# Altium PCB PCB-Mezzanine.PcbDoc (continued)
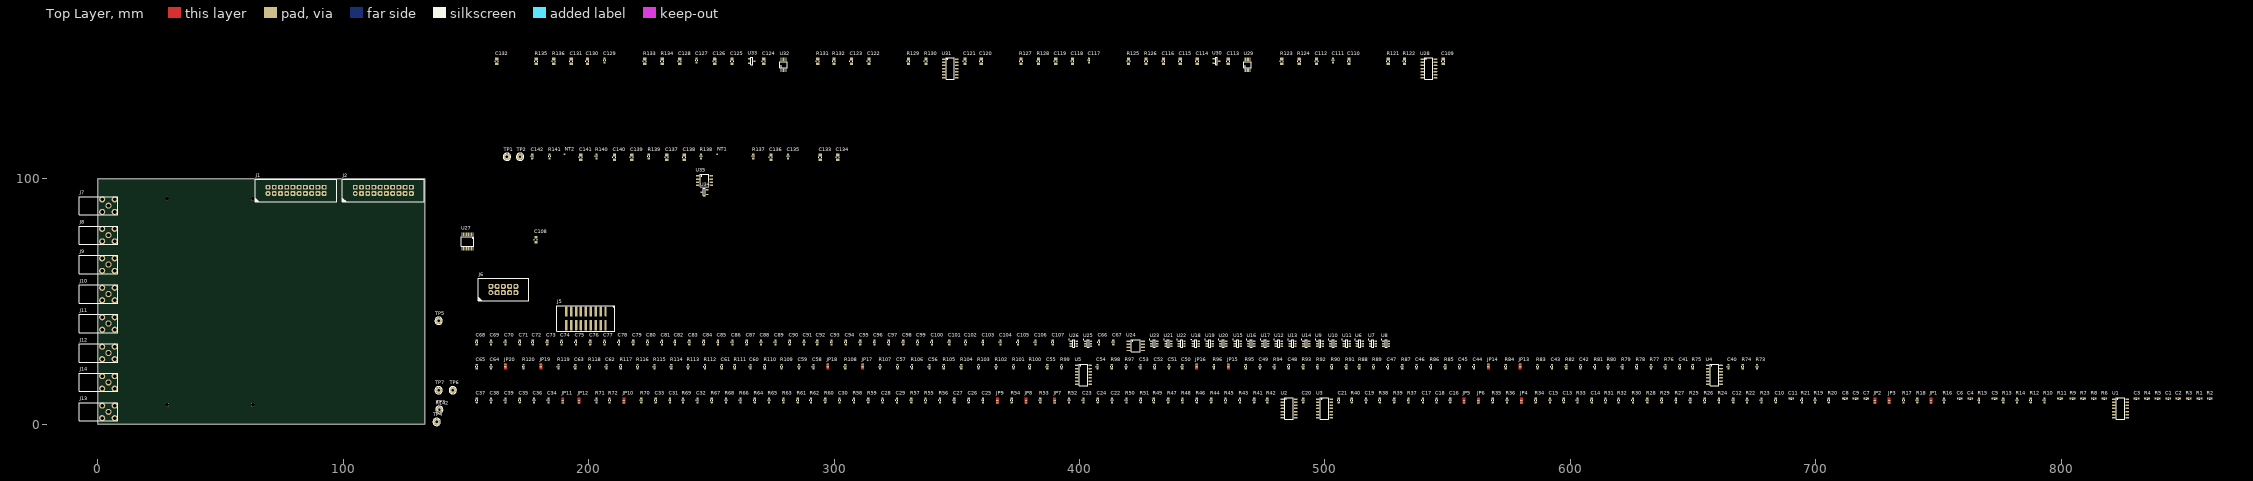
[diagram p0: Top Layer view]
## Components (designator, comment, footprint, x,y, rotation, side; value= is the part's Value field where it differs from the comment) (continued)
R107 "18k" "RESISTOR 1608 REFLOW" 318.77,23.495 r90 top
R108 "18k" "RESISTOR 1608 REFLOW" 304.546,23.495 r90 top
R109 "18k" "RESISTOR 1608 REFLOW" 278.638,23.495 r90 top
R110 "18k" "RESISTOR 1608 REFLOW" 271.78,23.495 r90 top
R111 "8k2" "RESISTOR 1608 REFLOW" 259.588,23.495 r90 top
R112 "8k2" "RESISTOR 1608 REFLOW" 247.396,23.495 r90 top
R113 "82R" "RESISTOR 1608 REFLOW" 240.538,23.495 r90 top
R114 "82R" "RESISTOR 1608 REFLOW" 233.68,23.495 r90 top
R115 "8k2" "RESISTOR 1608 REFLOW" 226.822,23.495 r90 top
R116 "8k2" "RESISTOR 1608 REFLOW" 219.964,23.495 r90 top
R117 "10k" "RESISTOR 1608 REFLOW" 213.106,23.495 r90 top
R118 "10k" "RESISTOR 1608 REFLOW" 200.406,23.495 r90 top
R119 "18k" "RESISTOR 1608 REFLOW" 187.706,23.495 r90 top
R120 "18k" "RESISTOR 1608 REFLOW" 173.482,23.495 r90 top
R121 "3k3" "RESISTOR 2012 REFLOW" 525.787,147.889 r90 top
R122 "3k6" "RESISTOR 2012 REFLOW" 532.391,147.889 r90 top
R123 "3k3" "RESISTOR 2012 REFLOW" 482.353,147.889 r90 top
R124 "3k6" "RESISTOR 2012 REFLOW" 489.465,147.889 r90 top
R125 "3k3" "RESISTOR 2012 REFLOW" 419.996,147.889 r90 top
R126 "3k6" "RESISTOR 2012 REFLOW" 427.108,147.889 r90 top
R127 "3k3" "RESISTOR 2012 REFLOW" 376.181,147.889 r90 top
R128 "3k6" "RESISTOR 2012 REFLOW" 383.293,147.889 r90 top
R129 "3k3" "RESISTOR 2012 REFLOW" 330.334,147.889 r90 top
R130 "3k6" "RESISTOR 2012 REFLOW" 337.446,147.889 r90 top
R131 "3k3" "RESISTOR 2012 REFLOW" 293.377,147.889 r90 top
R132 "3k6" "RESISTOR 2012 REFLOW" 299.981,147.889 r90 top
R133 "3k3" "RESISTOR 2012 REFLOW" 222.892,147.889 r90 top
R134 "3k6" "RESISTOR 2012 REFLOW" 230.004,147.889 r90 top
R135 "3k3" "RESISTOR 2012 REFLOW" 178.696,147.889 r90 top
R136 "3k6" "RESISTOR 2012 REFLOW" 185.808,147.889 r90 top
R137 "10k / 0.1%" "RESISTOR 1608 REFLOW" 267.051,109.137 r90 top
R138 "56R" "RESISTOR 1608 REFLOW" 245.842,109.137 r90 top
R139 "10k" "RESISTOR 1608 REFLOW" 224.506,109.137 r90 top
R140 "10k / 0.1%" "RESISTOR 1608 REFLOW" 203.17,109.137 r90 top
R141 "560R" "RESISTOR 1608 REFLOW" 184.12,109.137 r90 top
R142 "0" "RESISTOR 1608 REFLOW" 138.3,5.7 r90 top
TP1 "*" "Test Point Keystone Miniature BLACK" 166.721,109.01 r0 top
TP2 "*" "Test Point Keystone Miniature BLACK" 172.055,109.01 r0 top
TP3 "*" "Test Point Keystone Miniature RED" 139.2,6 r0 top
TP4 "*" "Test Point Keystone Miniature RED" 138.1,1 r0 top
TP5 "*" "Test Point Keystone Miniature RED" 138.9,42.2 r0 top
TP6 "*" "Test Point Keystone Miniature BLACK" 144.7,13.9 r0 top
TP7 "*" "Test Point Keystone Miniature BLACK" 138.9,13.9 r0 top
U1 "*" "SO14 P1.27 C4.0X8.8 H1.75" 824.103,6.477 r0 top
U2 "*" "SO14 P1.27 C4.0X8.8 H1.75" 485.394,6.477 r0 top
U3 "*" "SO14 P1.27 C4.0X8.8 H1.75" 499.872,6.477 r0 top
U4 "*" "SO14 P1.27 C4.0X8.8 H1.75" 658.622,20.193 r0 top
U5 "*" "SO14 P1.27 C4.0X8.8 H1.75" 401.574,20.193 r0 top
U6 "ADS7886SBDCKT" "SOT23-6 P0.95 C1.5x3.0 H1.3" 514.223,32.893 r0 top
U7 "ADS7886SBDCKT" "SOT23-6 P0.95 C1.5x3.0 H1.3" 519.557,32.893 r0 top
U8 "ADS7886SBDCKT" "SOT23-6 P0.95 C1.5x3.0 H1.3" 524.891,32.893 r0 top
U9 "ADS7886SBDCKT" "SOT23-6 P0.95 C1.5x3.0 H1.3" 497.967,32.893 r0 top
U10 "ADS7886SBDCKT" "SOT23-6 P0.95 C1.5x3.0 H1.3" 503.301,32.893 r0 top
U11 "ADS7886SBDCKT" "SOT23-6 P0.95 C1.5x3.0 H1.3" 508.889,32.893 r0 top
U12 "ADS7886SBDCKT" "SOT23-6 P0.95 C1.5x3.0 H1.3" 481.203,32.893 r0 top
U13 "ADS7886SBDCKT" "SOT23-6 P0.95 C1.5x3.0 H1.3" 486.791,32.893 r0 top
U14 "ADS7886SBDCKT" "SOT23-6 P0.95 C1.5x3.0 H1.3" 492.379,32.893 r0 top
U15 "ADS7886SBDCKT" "SOT23-6 P0.95 C1.5x3.0 H1.3" 464.439,32.893 r0 top
U16 "ADS7886SBDCKT" "SOT23-6 P0.95 C1.5x3.0 H1.3" 470.027,32.893 r0 top
U17 "ADS7886SBDCKT" "SOT23-6 P0.95 C1.5x3.0 H1.3" 475.615,32.893 r0 top
U18 "ADS7886SBDCKT" "SOT23-6 P0.95 C1.5x3.0 H1.3" 447.421,32.893 r0 top
U19 "ADS7886SBDCKT" "SOT23-6 P0.95 C1.5x3.0 H1.3" 453.009,32.893 r0 top
U20 "ADS7886SBDCKT" "SOT23-6 P0.95 C1.5x3.0 H1.3" 458.597,32.893 r0 top
U21 "ADS7886SBDCKT" "SOT23-6 P0.95 C1.5x3.0 H1.3" 436.245,32.893 r0 top
U22 "ADS7886SBDCKT" "SOT23-6 P0.95 C1.5x3.0 H1.3" 441.579,32.893 r0 top
U23 "ADS7886SBDCKT" "SOT23-6 P0.95 C1.5x3.0 H1.3" 430.403,32.893 r0 top
U24 "LT1461ACS8" "SO8 P1.27 C4.0X5.0 H1.75"#1 422.91,32.004 r0 top
U25 "ADS7886SBDCKT" "SOT23-6 P0.95 C1.5x3.0 H1.3" 403.479,32.893 r0 top
U26 "ADS7886SBDCKT" "SOT23-6 P0.95 C1.5x3.0 H1.3" 397.637,32.893 r0 top
U27 "DS90LV047ATMTC/NOPB" "TSSOP16 P0.65 C5.0x4.5 H1.1" 150.7,74.5 r270 top
U28 "AD8648ARZ-REEL7" "SO14 P1.27 C4.0X8.8 H1.75" 542.297,144.968 r0 top
U29 "DAC124S085CIMM/NOPB" "VSSOP10 P0.5 C3.1X3.1 H1.1" 468.383,146.492 r90 top
U30 "REF3130AIDBZTG4" "SOT23 P0.95 C1.6x3.0 H1.3" 455.81,148.016 r0 top
U31 "AD8648ARZ-REEL7" "SO14 P1.27 C4.0X8.8 H1.75" 347.352,144.968 r0 top
U32 "DAC124S085CIMM/NOPB" "VSSOP10 P0.5 C3.1X3.1 H1.1" 279.407,146.492 r90 top
U33 "REF3130AIDBZTG4" "SOT23 P0.95 C1.6x3.0 H1.3" 266.453,148.016 r0 top
U34 "REF3130AIDBZTG4" "SOT23 P0.95 C1.6x3.0 H1.3" 247.2,94.6 r180 top
U35 "AD8646ARZ-REEL7" "SO8 P1.27 C4.0X5.0 H1.75"#2 247.2,99.3 r0 top

## Footprints (in the part's own frame and the unit in brackets; to place one, negate y for a bottom-side part, rotate by r counter-clockwise, add the part's x,y. Pads: shape width x height; smd on the part's side, far side on the other; paste and mask are expansions set on the pad)
"CAPACITOR 1608 REFLOW" [mm] "Capacitor SMD 1.6x0.8mm (0603-imperial)"
  rrect25% 0.75x0.9 smd: 1(-0.8,0) 2(0.8,0)
  silkscreen extent -0.2,-0.4 0.2,0.4, body extent -0.8,-0.4 0.8,0.4, height 0.8
"CAPACITOR 2012 REFLOW" [mm] "Capacitor SMD 2.0x1.2mm (0805-imperial)"
  rrect25% 1.1x1.35 smd: 1(-1,0) 2(1,0)
  silkscreen extent -0.2,-0.6 0.2,0.6, body extent -1,-0.6 1,0.6, height 1
"ERNI SMC-Q50-SMD-BA" [mm] "Male 1.27 pitch 2x20 pin connector, 6.75 height"
  rect 1.2x2.7 smd: 0(-17.75,-2.45) 0(-17.75,2.45) 0(17.75,-2.45) 0(17.75,2.45)
  round 1.6 hole 1.6 unplated: 0(-17.45,0) 0(17.45,0)
  rrect25% 0.8x1.1 smd: a1(15.24,-2.75) a1(15.24,-2.75) a2(13.97,-2.75) a3(12.7,-2.75) a4(11.43,-2.75) a5(10.16,-2.75) a6(8.89,-2.75) a7(7.62,-2.75) a8(6.35,-2.75) a9(5.08,-2.75) a10(3.81,-2.75) a11(2.54,-2.75) a12(1.27,-2.75) a13(0,-2.75) a14(-1.27,-2.75) a15(-2.54,-2.75) a16(-3.81,-2.75) a17(-5.08,-2.75) a18(-6.35,-2.75) a19(-7.62,-2.75) a20(-8.89,-2.75) a21(-10.16,-2.75) a22(-11.43,-2.75) a23(-12.7,-2.75) a24(-13.97,-2.75) a25(-15.24,-2.75) b1(15.24,2.75) b1(15.24,2.75) b2(13.97,2.75) b3(12.7,2.75) b4(11.43,2.75) b5(10.16,2.75) b6(8.89,2.75) b7(7.62,2.75) b8(6.35,2.75) b9(5.08,2.75) b10(3.81,2.75) b11(2.54,2.75) b12(1.27,2.75) b13(0,2.75) b14(-1.27,2.75) b15(-2.54,2.75) b16(-3.81,2.75) b17(-5.08,2.75) b18(-6.35,2.75) b19(-7.62,2.75) b20(-8.89,2.75) b21(-10.16,2.75) b22(-11.43,2.75) b23(-12.7,2.75) b24(-13.97,2.75) b25(-15.24,2.75)
  silkscreen extent -19,-4.1 19,4.1, body extent -18.42,-3.5 18.41,3.5, height 6.8
"FlatCable2x5 2.54MM Straight TH" [mm] "FlatCable2x5 2.54MM Straight TH, DIN 41651, Generic"
  oct 2x2 hole 1: 1(-5.08,-1.27)
  rrect50% 2x2 hole 1: 2(-5.08,1.27) 3(-2.54,-1.27) 4(-2.54,1.27) 5(0,-1.27) 6(0,1.27) 7(2.54,-1.27) 8(2.54,1.27) 9(5.08,-1.27) 10(5.08,1.27)
  silkscreen extent -10.3,-4.59 10.29,4.57, body extent -10.16,-4.45 10.16,4.46, height 9.1
"FlatCable2x9 2MM Straight SMD FCI 98414-G52-18ALF" [mm] "FlatCable2x9 2MM Straight SMD FCI 98414-G52-18ALF"
  oct 1x4.2 smd: 1(-8,-2.8)
  rrect25% 1x4.2 smd: 2(-8,2.8) 3(-6,-2.8) 4(-6,2.8) 5(-4,-2.8) 6(-4,2.8) 7(-2,-2.8) 8(-2,2.8) 9(0,-2.8) 10(0,2.8) 11(2,-2.8) 12(2,2.8) 13(4,-2.8) 14(4,2.8) 15(6,-2.8) 16(6,2.8) 17(8,-2.8) 18(8,2.8)
  silkscreen extent -11.8,-5.2 11.8,5.2, body extent -10,-4.2 10,4.2, height 6.2
"FlatCable2x10 2.54MM Straight TH" [mm] "FlatCable2x10 2.54MM Straight TH, DIN 41651, Generic"
  oct 2x2 hole 1: 1(-11.43,-1.27)
  rrect50% 2x2 hole 1: 2(-11.43,1.27) 3(-8.89,-1.27) 4(-8.89,1.27) 5(-6.35,-1.27) 6(-6.35,1.27) 7(-3.81,-1.27) 8(-3.81,1.27) 9(-1.27,-1.27) 10(-1.27,1.27) 11(1.27,-1.27) 12(1.27,1.27) 13(3.81,-1.27) 14(3.81,1.27) 15(6.35,-1.27) 16(6.35,1.27) 17(8.89,-1.27) 18(8.89,1.27) 19(11.43,-1.27) 20(11.43,1.27)
  silkscreen extent -16.65,-4.59 16.64,4.57, body extent -16.51,-4.45 16.51,4.46, height 9.1
"JUMPER3 SMD 1608" [mm] "JUMPER SMD 3LEADS 1608 (0603-Imperial)"
  rrect50% 0.3x1 smd paste-0.8 mask-0.5: 1(-1.05,0) 3(1.05,0)
  rect 0.5x1 smd paste-0.8 mask-0.5: 2(0,0)
  Top Layer region: -1.1,0.5 -1.1,-0.5 -0.45,-0.5 -0.45,-0.4 -0.8,-0.05 -0.8,0.05 -0.45,0.4 -0.45,0.5
  Top Layer region: -0.25,0.4 -0.6,0.05 -0.6,-0.05 -0.25,-0.4 -0.25,-0.5 0.25,-0.5 0.25,-0.4 0.6,-0.05 0.6,0.05 0.25,0.4 0.25,0.5 0.1,0.5 -0.25,0.5
  Top Layer region: 1.1,-0.5 1.1,0.5 0.45,0.5 0.45,0.4 0.8,0.05 0.8,-0.05 0.45,-0.4 0.45,-0.5
"NET TIE 1005" [mm] "Net Tie, connect two different net without DRC error"
  rrect25% 0.4x0.5 smd paste-0.8 mask+0: 1(-0.3,0) 2(0.3,0)
  Top Layer region: -0.3,0.25 -0.3,-0.25 0.325,-0.25 0.325,0.25
"RESISTOR 1608 REFLOW" [mm] "Resistor SMD 1.6x0.8mm (0603-imperial)"
  rrect25% 0.75x0.9 smd: 1(-0.8,0) 2(0.8,0)
  silkscreen extent -0.2,-0.4 0.2,0.4, body extent -0.77,-0.42 0.78,0.43, height 0.45
"RESISTOR 2012 REFLOW" [mm] "Resistor SMD 2.0x1.2mm (0805-imperial)"
  rrect25% 1.1x1.35 smd: 1(-1,0) 2(1,0)
  silkscreen extent -0.2,-0.6 0.2,0.6, body extent -1,-0.62 1,0.63, height 0.45
"SMA TH Right Angle Linx CONSMA002" [mm] "Connector SMA TH Right Angle Linx CONSMA002"
  round 2.5 hole 1.5: 1(0,0) 2(-2.55,-2.55) 2(-2.55,2.55) 2(2.55,-2.55) 2(2.55,2.55)
  silkscreen extent -11.9,-3.7 3.7,3.7, body extent -11.71,-3.5 3.5,3.5, height 10
"SO8 P1.27 C4.0X5.0 H1.75"#1 [mm] "8-Pin Small Outline Integrated Circuit 1.27 mm Pitch, IPC Medium Density"
  rrect50% 1.6x0.6 smd: 1(-2.921,1.905) 2(-2.921,0.635) 3(-2.921,-0.635) 4(-2.921,-1.905) 5(2.921,-1.905) 6(2.921,-0.635) 7(2.921,0.635) 8(2.921,1.905)
  silkscreen extent -1.8,-2.5 1.8,2.5, body extent -2,-2.5 2,2.5, height 1.76
"SO8 P1.27 C4.0X5.0 H1.75"#2 [mm] "8-Pin Small Outline Integrated Circuit 1.27 mm Pitch, IPC Medium Density"
  rrect50% 1.45x0.6 smd: 1(-2.725,1.905) 2(-2.725,0.635) 3(-2.725,-0.635) 4(-2.725,-1.905) 5(2.725,-1.905) 6(2.725,-0.635) 7(2.725,0.635) 8(2.725,1.905)
  silkscreen extent -1.7,-2.5 1.7,2.5, body extent -2,-2.5 2,2.5, height 1.76
"SO14 P1.27 C4.0X8.8 H1.75" [mm] "SOIC, 14-Leads, Body 4.0X8.8mm, Pitch 1.27mm, IPC Medium Density"
  rrect50% 1.45x0.6 smd: 1(-2.725,3.81) 2(-2.725,2.54) 3(-2.725,1.27) 4(-2.725,0) 5(-2.725,-1.27) 6(-2.725,-2.54) 7(-2.725,-3.81) 8(2.725,-3.81) 9(2.725,-2.54) 10(2.725,-1.27) 11(2.725,0) 12(2.725,1.27) 13(2.725,2.54) 14(2.725,3.81)
  silkscreen extent -1.7,-4.4 1.7,4.4, body extent -2,-4.4 2,4.4, height 1.76
"SOT23 P0.95 C1.6x3.0 H1.3" [mm] "SOT23, 3-Leads, Body 1.6x3.0mm, Pitch 0.95mm, IPC Medium Density"
  rrect50% 0.9x0.6 smd: 1(-1.15,0.95) 2(-1.15,-0.95) 3(1.15,0)
  silkscreen extent -0.4,-1.5 0.4,1.5, body extent -0.8,-1.5 0.8,1.5, height 1.3
"SOT23-6 P0.95 C1.5x3.0 H1.3" [mm] "SOT23, 6-Leads, Body 1.6x3.0mm, Pitch 0.95mm, IPC Medium Density"
  rrect50% 1x0.6 smd: 1(-1.2,1) 2(-1.2,0) 3(-1.2,-1) 4(1.2,-1) 5(1.2,0) 6(1.2,1)
  silkscreen extent -2,-1.5 0.4,1.8, body extent -0.8,-1.5 0.8,1.5, height 1.31
"Test Point Keystone Miniature BLACK" [mm] "Test Point Keystone Miniature BLACK"
  round 2.5 hole 1: 1(0,0)
  silkscreen extent -1.5,-1.5 1.5,1.5, body extent -1.25,-1.25 1.25,1.25, height 5
"Test Point Keystone Miniature RED" [mm] "Test Point Keystone Miniature RED"
  round 2.5 hole 1: 1(0,0)
  silkscreen extent -1.5,-1.5 1.5,1.5, body extent -1.25,-1.25 1.25,1.25, height 5
"TSSOP16 P0.65 C5.0x4.5 H1.1" [mm] "TSSOP-16 NXP"
  rrect50% 1.5x0.45 smd: 1(-3,2.275) 2(-3,1.625) 3(-3,0.975) 4(-3,0.325) 5(-3,-0.325) 6(-3,-0.975) 7(-3,-1.625) 8(-3,-2.275) 9(3,-2.275) 10(3,-1.625) 11(3,-0.975) 12(3,-0.325) 13(3,0.325) 14(3,0.975) 15(3,1.625) 16(3,2.275)
  silkscreen extent -1.9,-2.5 1.9,2.5, body extent -2.25,-2.5 2.25,2.5, height 1.1
"VSSOP10 P0.5 C3.1X3.1 H1.1" [mm] "VSSOP, 10-Leads, Body 3.10x3.1mm, Pitch 0.5mm, Height 1.1"
  rrect25% 1.5x0.3 smd: 1(-2.2,1) 2(-2.2,0.5) 3(-2.2,0) 4(-2.2,-0.5) 5(-2.2,-1) 6(2.2,-1) 7(2.2,-0.5) 8(2.2,0) 9(2.2,0.5) 10(2.2,1)
  silkscreen extent -1.15,-1.55 1.15,1.55, body extent -1.55,-1.55 1.55,1.55, height 1.11

## Part data
C1 C2 C3 C4 C5 C6 C7 C8 C9 C10 C11 C12 C13 C14 C15 C16 C17 C18 C19 C20 C21 C22 C23 C24 C25 C26 C27 C28 C29 C30 C31 C32 C33 C34 C35 C36 C37 C38 C39 C40 C41 C42 C43 C44 C45 C46 C47 C48 C49 C50 C51 C52 C53 C54 C55 C56 C57 C58 C59 C60 C61 C62 C63 C64 C65 C111 C117 C127 C129 C135 C142: library part Capacitor, "Capacitor X7R 10% 50V 1608(0603)"
C66 C67 C68 C69 C70 C71 C72 C73 C74 C75 C76 C77 C78 C79 C80 C81 C82 C83 C84 C85 C86 C87 C88 C89 C90 C91 C92 C93 C94 C95 C96 C97 C98 C99 C100 C101 C102 C103 C104 C105 C106 C107: library part Capacitor, "Capacitor"
C108 C109 C110 C112 C113 C114 C116 C118 C119 C120 C121 C122 C123 C124 C125 C128 C130 C131 C132 C134 C138: library part Capacitor, "Capacitor X7R 10% 50V 2012(0805)"
C115 C126 C133 C136 C137 C139 C140 C141: library part Capacitor, "Capacitor X7R 10% 10V 2012(0805)"
J1 J2: library part FlatCable2x10, "FlatCable2x10", Manufacturer="Wurth Elektronik", Mouser No.=710-61202021621
J3 J4: "Male 1.27 pitch 2x25 pin connector"
J5: library part FlatCable2x9, "FlatCable2x9", Manufacturer="Amphenol FCI", Mouser No.=649-98464-G61-18ULF
J6: library part FlatCable2x5, "FlatCable2x5", Manufacturer="Wurth Elektronik", Mouser No.=710-61201021721
J7 J8 J9 J10 J11 J12 J13 J14: library part "SMA TH RIGHT ANGLE LINX CONSMA002", "SMA TH RIGHT ANGLE LINX CONSMA002", Manufacturer="Linx Technologies", Mouser No.=712-CONSMA002-G
JP1 JP2 JP3 JP4 JP5 JP6 JP7 JP8 JP9 JP10 JP11 JP12 JP13 JP14 JP15 JP16 JP17 JP18 JP19 JP20: library part "JUMPER 3 POS", "JUMPER 3 POS"
NT1 NT2: "Connection for 2 different NETNAME"
R1 R2 R3 R4 R5 R6 R7 R8 R9 R10 R11 R12 R13 R14 R15 R16 R17 R18 R19 R20 R21 R22 R23 R24 R25 R26 R27 R28 R29 R30 R31 R32 R33 R34 R35 R36 R37 R38 R39 R40 R41 R42 R43 R44 R45 R46 R47 R48 R49 R50 R51 R52 R53 R54 R55 R56 R57 R58 R59 R60 R61 R62 R63 R64 R65 R66 R67 R68 R69 R70 R71 R72 R73 R74 R75 R76 R77 R78 R79 R80 R81 R82 R83 R84 R85 R86 R87 R88 R89 R90 R91 R92 R93 R94 R95 R96 R97 R98 R99 R100 R101 R102 R103 R104 R105 R106 R107 R108 R109 R110 R111 R112 R113 R114 R115 R116 R117 R118 R119 R120 R137 R138 R139 R140 R141 R142: library part Resistor, "Resistor 1% 50V 100mW 1608(0603)"
R121 R122 R123 R124 R125 R126 R127 R128 R129 R130 R131 R132 R133 R134 R135 R136: library part Resistor, "Resistor 1% 50V 125mW 2012(0805)"
TP1 TP2 TP3 TP4 TP5 TP6 TP7: library part "Test Point", "Test Point"
U1 U2 U3 U4 U5: library part "OPA QUAD", "Generic quad OPA 14 pins"
U6 U7 U8 U9 U10 U11 U12 U13 U14 U15 U16 U17 U18 U19 U20 U21 U22 U23 U25 U26: "12-Bit, 1-MSPS, Micro-Power, Miniature SAR Analog-to-Digital Converters"
U24: "Micropower Precision Low Dropout Series Voltage Reference Family"
U27: library part DS90LV047A, "DS90LV047A 3-V LVDS Quad CMOS Differential Line Driver", Manufacturer="Texas Instruments", Mouser No.=926-DS90LV047ATMTCNO
U28 U31: library part "OPA QUAD", "Generic quad OPA 14 pins", Manufacturer="Analog Devices", Mouser No.=584-AD8648ARZ-R7
U29 U32: library part DAC124S085CIMM, "DAC124S085 12-Bit Micro Power Quad Digital-to-Analog Converter With Rail-to-Rail Output", Manufacturer="Texas Instruments", Mouser No.=926-DAC124S085CIMMNO
U30 U33 U34: library part "REFERENCE SOT23 IN,OUT,GND", "Generic Positive Voltage Reference"
U35: library part "OPA DUAL", "Generic dual OPA 8 pins", Manufacturer="Analog Devices", Mouser No.=584-AD8646ARZ-R7

## Nets (pads, with @x,y where several pads share a name; then routed paths per layer and width w, separated by ;. In a path a pad name is that pad's centre, name@x,y a point inside that pad or via, vN(x,y) a via of type N, cw(c..) or ccw(c..) an arc to the next point about the centre after c; other vN are vias at no path point)
3VREFF: C67.2 C68.2 C69.2 C70.2 C71.2 C72.2 C73.2 C74.2 C75.2 C76.2 C77.2 C78.2 C79.2 C80.2 C81.2 C82.2 C83.2 C84.2 C85.2 C86.2 C87.2 C88.2 C89.2 C90.2 C91.2 C92.2 C93.2 C94.2 C95.2 C96.2 C97.2 C98.2 C99.2 C100.2 C101.2 C102.2 C103.2 C104.2 C105.2 C106.2 C107.2 R142.2 TP4.1 U6.1 U7.1 U8.1 U9.1 U10.1 U11.1 U12.1 U13.1 U14.1 U15.1 U16.1 U17.1 U18.1 U19.1 U20.1 U21.1 U22.1 U23.1 U25.1 U26.1
+3V3_A: C37.2 C38.2 C39.2 C50.2 C53.2 C135.2 C137.1 C138.1 C142.2 NT1.2 TP7.1 U1.4 U2.4 U3.4 U4.4 U5.4 U34.1 U35.8
+3V3_D: C108.2 C111.2 C114.2 C117.2 C125.2 C127.2 C129.2 C133.1 C134.1 J3.a7 J3.b7 J4.a1 J4.b1 J5.1 J6.10 NT1.1 TP6.1 U27.1 U27.4 U28.4 U29.1 U30.1 U31.4 U32.1 U33.1
+5V: C66.2 J3.a1 J3.b1 J4.a25 TP3.1 U24.2 U24.3
\S\P\I\A\_\S\T\E\: J4.a2 U29.9
\S\P\I\B\_\S\T\E\: J4.b3 U32.9
\S\P\I\C\_\S\T\E\: J4.a11 U27.2
\S\P\I\C\_\S\T\E\_\+\: J6.8 U27.15
\S\P\I\C\_\S\T\E\_\-\: J6.7 U27.16
ADC_CH0: C62.2 R109.2 R113.2 R117.1 U20.3
ADC_CH0_CS: J3.a11 U20.6
ADC_CH0_SDO: J3.a2 U20.5
ADC_CH1: C4.2 R1.2 R7.2 R13.1 U6.3
ADC_CH1_CS: J3.b11 U6.6
ADC_CH1_SDO: J3.b2 U6.5
ADC_CH2: C13.2 R19.2 R25.2 R31.1 U9.3
ADC_CH2_CS: J3.a12 U9.6
ADC_CH2_SDO: J3.a3 U9.5
ADC_CH3: C6.2 R3.2 R9.2 R15.1 U12.3
ADC_CH3_CS: J3.b12 U12.6
ADC_CH3_SDO: J3.b3 U12.5
ADC_CH4: C15.2 R21.2 R27.2 R33.1 U15.3
ADC_CH4_CS: J3.a13 U15.6
ADC_CH4_SDO: J3.a4 U15.5
ADC_CH5: C22.2 R37.2 R43.2 R49.1 U18.3
ADC_CH5_CS: J3.b13 U18.6
ADC_CH5_SDO: J3.b4 U18.5
ADC_CH6: C31.2 R55.2 R61.2 R67.1 U21.3
ADC_CH6_CS: J3.a14 U21.6
ADC_CH6_SDO: J3.a5 U21.5
ADC_CH7: C23.2 R38.2 R44.2 R50.1 U23.3
ADC_CH7_CS: J3.b14 U23.6
ADC_CH7_SDO: J3.b5 U23.5
ADC_CH8: C33.2 R57.2 R63.2 R69.1 U25.3
ADC_CH8_CS: J3.a15 U25.6
ADC_CH8_SDO: J3.a6 U25.5
ADC_CH9: C5.2 R2.2 R8.2 R14.1 U26.3
ADC_CH9_CS: J3.b15 U26.6
ADC_CH9_SDO: J3.b6 U26.5
ADC_CH10: C14.2 R20.2 R26.2 R32.1 U7.3
ADC_CH10_CS: J3.a16 U7.6
ADC_CH10_SDO: J4.a18 U7.5
ADC_CH11: C24.2 R39.2 R45.2 R51.1 U10.3
ADC_CH11_CS: J3.b16 U10.6
ADC_CH11_SDO: J4.b18 U10.5
ADC_CH12: C32.2 R56.2 R62.2 R68.1 U13.3
ADC_CH12_CS: J3.a17 U13.6
ADC_CH12_SDO: J4.a19 U13.5
ADC_CH13: C43.2 R74.2 R78.2 R82.1 U16.3
ADC_CH13_CS: J3.b17 U16.6
ADC_CH13_SDO: J4.b19 U16.5
ADC_CH14: C49.2 R86.2 R90.2 R94.1 U19.3
ADC_CH14_CS: J3.a18 U19.6
ADC_CH14_SDO: J4.a20 U19.5
ADC_CH15: C42.2 R73.2 R77.2 R81.1 U22.3
ADC_CH15_CS: J3.b18 U22.6
ADC_CH15_SDO: J4.b20 U22.5
ADC_CH16: C48.2 R85.2 R89.2 R93.1 U8.3
ADC_CH16_CS: J3.a8 U8.6
ADC_CH16_SDO: J4.a21 U8.5
ADC_CH17: C57.2 R98.2 R102.2 R106.1 U11.3
ADC_CH17_CS: J3.b8 U11.6
ADC_CH17_SDO: J4.b21 U11.5
ADC_CH18: C63.2 R110.2 R114.2 R118.1 U14.3
ADC_CH18_CS: J3.a9 U14.6
ADC_CH18_SDO: J4.a22 U14.5
ADC_CH19: C56.2 R97.2 R101.2 R105.1 U17.3
ADC_CH19_CS: J3.b9 U17.6
ADC_CH19_SDO: J4.b22 U17.5
ADC_SCLK: J3.a20 U6.4 U7.4 U8.4 U9.4 U10.4 U11.4 U12.4 U13.4 U14.4 U15.4 U16.4 U17.4 U18.4 U19.4 U20.4 U21.4 U22.4 U23.4 U25.4 U26.4
DAC_A: R121.1 U29.2
DAC_B: R123.1 U29.3
DAC_C: R125.1 U29.4
DAC_D: R127.1 U29.5
DAC_E: R129.1 U32.2
DAC_F: R131.1 U32.3
DAC_G: R133.1 U32.4
DAC_H: R135.1 U32.5
DAC_OUT_A: C109.2 J7.1 U28.1 U28.2
DAC_OUT_B: C112.2 J8.1 U28.6 U28.7
DAC_OUT_C: C116.2 J9.1 U28.8 U28.9
DAC_OUT_D: C119.2 J10.1 U28.13 U28.14
DAC_OUT_E: C121.2 J11.1 U31.1 U31.2
DAC_OUT_F: C123.2 J12.1 U31.6 U31.7
DAC_OUT_G: C128.2 J13.1 U31.8 U31.9
DAC_OUT_H: C131.2 J14.1 U31.13 U31.14
GND_A: C4.1 C5.1 C6.1 C7.1 C8.1 C9.1 C13.1 C14.1 C15.1 C16.1 C17.1 C18.1 C22.1 C23.1 C24.1 C25.1 C26.1 C27.1 C31.1 C32.1 C33.1 C34.1 C35.1 C36.1 C37.1 C38.1 C39.1 C42.1 C43.1 C44.1 C45.1 C48.1 C49.1 C50.1 C51.1 C52.1 C53.1 C56.1 C57.1 C58.1 C59.1 C62.1 C63.1 C64.1 C65.1 C66.1 C67.1 C68.1 C69.1 C70.1 C71.1 C72.1 C73.1 C74.1 C75.1 C76.1 C77.1 C78.1 C79.1 C80.1 C81.1 C82.1 C83.1 C84.1 C85.1 C86.1 C87.1 C88.1 C89.1 C90.1 C91.1 C92.1 C93.1 C94.1 C95.1 C96.1 C97.1 C98.1 C99.1 C100.1 C101.1 C102.1 C103.1 C104.1 C105.1 C106.1 C107.1 C135.1 C136.1 C137.2 C138.2 C139.1 C141.1 C142.1 JP1.3 JP2.3 JP3.3 JP4.3 JP5.3 JP6.3 JP7.3 JP8.3 JP9.3 JP10.3 JP11.3 JP12.3 JP13.3 JP14.3 JP15.3 JP16.3 JP17.3 JP18.3 JP19.3 JP20.3 NT2.2 R13.2 R14.2 R15.2 R31.2 R32.2 R33.2 R49.2 R50.2 R51.2 R67.2 R68.2 R69.2 R81.2 R82.2 R93.2 R94.2 R105.2 R106.2 R117.2 R118.2 R139.2 R140.2 U1.11 U2.11 U3.11 U4.11 U5.11 U6.2 U7.2 U8.2 U9.2 U10.2 U11.2 U12.2 U13.2 U14.2 U15.2 U16.2 U17.2 U18.2 U19.2 U20.2 U21.2 U22.2 U23.2 U24.4 U25.2 U26.2 U34.3 U35.4
GND_D: C108.1 C110.1 C111.1 C113.1 C114.1 C115.1 C117.1 C118.1 C120.1 C122.1 C124.1 C125.1 C126.1 C127.1 C129.1 C130.1 C132.1 C133.2 C134.2 J3.a10 J3.a19 J3.b10 J3.b19 J3.b24 J4.a5 J4.a12 J4.a15 J4.a17 J4.b5 J4.b12 J4.b15 J4.b17 J5.2 J5.4 J5.6 J5.8 J5.10 J5.12 J5.14 J5.16 J6.9 J7.2 J8.2 J9.2 J10.2 J11.2 J12.2 J13.2 J14.2 NT2.1 TP1.1 TP2.1 U27.5 U27.8 U28.11 U29.6 U30.3 U31.11 U32.6 U33.3
MEAS_0_N: J1.1 R111.1
MEAS_0_P: J1.2 R115.1
MEAS_1_N: J1.3 R4.1
MEAS_1_P: J1.4 R10.1
MEAS_2_N: J1.5 R22.1
MEAS_2_P: J1.6 R28.1
MEAS_3_N: J1.7 R6.1
MEAS_3_P: J1.8 R12.1
MEAS_4_N: J1.9 R24.1
MEAS_4_P: J1.10 R30.1
MEAS_5_N: J1.11 R40.1
MEAS_5_P: J1.12 R46.1
MEAS_6_N: J1.13 R58.1
MEAS_6_P: J1.14 R64.1
MEAS_7_N: J1.15 R41.1
MEAS_7_P: J1.16 R47.1
MEAS_8_N: J1.17 R60.1
MEAS_8_P: J1.18 R66.1
MEAS_9_N: J1.19 R5.1
MEAS_9_P: J1.20 R11.1
MEAS_10_N: J2.1 R23.1
MEAS_10_P: J2.2 R29.1
MEAS_11_N: J2.3 R42.1
MEAS_11_P: J2.4 R48.1
MEAS_12_N: J2.5 R59.1
MEAS_12_P: J2.6 R65.1
MEAS_13_N: J2.7 R76.1
MEAS_13_P: J2.8 R80.1
MEAS_14_N: J2.9 R88.1
MEAS_14_P: J2.10 R92.1
MEAS_15_N: J2.11 R75.1
MEAS_15_P: J2.12 R79.1
MEAS_16_N: J2.13 R87.1
MEAS_16_P: J2.14 R91.1
MEAS_17_N: J2.15 R100.1
MEAS_17_P: J2.16 R104.1
MEAS_18_N: J2.17 R112.1
MEAS_18_P: J2.18 R116.1
MEAS_19_N: J2.19 R99.1
MEAS_19_P: J2.20 R103.1
NetC1_1: C1.1 R7.1 U1.14
NetC1_2: C1.2 R1.1 R4.2 U1.13
NetC2_1: C2.1 R8.1 U2.14
NetC2_2: C2.2 R2.1 R5.2 U2.13
NetC3_1: C3.1 R9.1 U1.1
NetC3_2: C3.2 R3.1 R6.2 U1.2
NetC7_2: C7.2 R10.2 R16.1 U1.12
NetC8_2: C8.2 R12.2 R17.1 U1.3
NetC9_2: C9.2 R11.2 R18.1 U2.12
NetC10_1: C10.1 R25.1 U1.8
NetC10_2: C10.2 R19.1 R22.2 U1.9
NetC11_1: C11.1 R26.1 U2.8
NetC11_2: C11.2 R20.1 R23.2 U2.9
NetC12_1: C12.1 R27.1 U1.7
NetC12_2: C12.2 R21.1 R24.2 U1.6
NetC16_2: C16.2 R28.2 R34.1 U1.10
NetC17_2: C17.2 R30.2 R35.1 U1.5
NetC18_2: C18.2 R29.2 R36.1 U2.10
NetC19_1: C19.1 R43.1 U3.14
NetC19_2: C19.2 R37.1 R40.2 U3.13
NetC20_1: C20.1 R44.1 U2.1
NetC20_2: C20.2 R38.1 R41.2 U2.2
NetC21_1: C21.1 R45.1 U3.1
NetC21_2: C21.2 R39.1 R42.2 U3.2
NetC25_2: C25.2 R46.2 R52.1 U3.12
NetC26_2: C26.2 R47.2 R53.1 U2.3
NetC27_2: C27.2 R48.2 R54.1 U3.3
NetC28_1: C28.1 R61.1 U3.8
NetC28_2: C28.2 R55.1 R58.2 U3.9
NetC29_1: C29.1 R62.1 U2.7
NetC29_2: C29.2 R56.1 R59.2 U2.6
NetC30_1: C30.1 R63.1 U3.7
NetC30_2: C30.2 R57.1 R60.2 U3.6
NetC34_2: C34.2 R64.2 R70.1 U3.10
NetC35_2: C35.2 R66.2 R71.1 U3.5
NetC36_2: C36.2 R65.2 R72.1 U2.5
NetC40_1: C40.1 R77.1 U4.1
NetC40_2: C40.2 R73.1 R75.2 U4.2
NetC41_1: C41.1 R78.1 U4.14
NetC41_2: C41.2 R74.1 R76.2 U4.13
NetC44_2: C44.2 R79.2 R83.1 U4.3
NetC45_2: C45.2 R80.2 R84.1 U4.12
NetC46_1: C46.1 R89.1 U4.7
NetC46_2: C46.2 R85.1 R87.2 U4.6
NetC47_1: C47.1 R90.1 U4.8
NetC47_2: C47.2 R86.1 R88.2 U4.9
NetC51_2: C51.2 R91.2 R95.1 U4.5
NetC52_2: C52.2 R92.2 R96.1 U4.10
NetC54_1: C54.1 R101.1 U5.1
NetC54_2: C54.2 R97.1 R99.2 U5.2
NetC55_1: C55.1 R102.1 U5.14
NetC55_2: C55.2 R98.1 R100.2 U5.13
NetC58_2: C58.2 R103.2 R107.1 U5.3
NetC59_2: C59.2 R104.2 R108.1 U5.12
NetC60_1: C60.1 R113.1 U5.7
NetC60_2: C60.2 R109.1 R111.2 U5.6
NetC61_1: C61.1 R114.1 U5.8
NetC61_2: C61.2 R110.1 R112.2 U5.9
NetC64_2: C64.2 R115.2 R119.1 U5.5
NetC65_2: C65.2 R116.2 R120.1 U5.10
NetC109_1: C109.1 R121.2 R122.1
NetC110_2: C110.2 R122.2 U28.3
NetC112_1: C112.1 R123.2 R124.1
NetC113_2: C113.2 R124.2 U28.5
NetC115_2: C115.2 U29.7 U30.2
NetC116_1: C116.1 R125.2 R126.1
NetC118_2: C118.2 R126.2 U28.10
NetC119_1: C119.1 R127.2 R128.1
NetC120_2: C120.2 R128.2 U28.12
NetC121_1: C121.1 R129.2 R130.1
NetC122_2: C122.2 R130.2 U31.3
NetC123_1: C123.1 R131.2 R132.1
NetC124_2: C124.2 R132.2 U31.5
NetC126_2: C126.2 U32.7 U33.2
NetC128_1: C128.1 R133.2 R134.1
NetC130_2: C130.2 R134.2 U31.10
NetC131_1: C131.1 R135.2 R136.1
NetC132_2: C132.2 R136.2 U31.12
NetC136_2: C136.2 R137.2 U34.2
NetC140_1: C140.1 R141.2 U35.2
NetC140_2: C140.2 R138.2 U35.1
NetC141_2: C141.2 R137.1 R140.1 U35.3
NetJP1_2: JP1.2 R16.2
NetJP2_2: JP2.2 R17.2
NetJP3_2: JP3.2 R18.2
NetJP4_2: JP4.2 R34.2
NetJP5_2: JP5.2 R35.2
NetJP6_2: JP6.2 R36.2
NetJP7_2: JP7.2 R52.2
NetJP8_2: JP8.2 R53.2
NetJP9_2: JP9.2 R54.2
NetJP10_2: JP10.2 R70.2
NetJP11_2: JP11.2 R71.2
NetJP12_2: JP12.2 R72.2
NetJP13_2: JP13.2 R83.2
NetJP14_2: JP14.2 R84.2
NetJP15_2: JP15.2 R95.2
NetJP16_2: JP16.2 R96.2
NetJP17_2: JP17.2 R107.2
NetJP18_2: JP18.2 R108.2
NetJP19_2: JP19.2 R119.2
NetJP20_2: JP20.2 R120.2
NetR142_1: R142.1 U24.6
NetU35_6: U35.6 U35.7
REF_1V5: C139.2 JP1.1 JP2.1 JP3.1 JP4.1 JP5.1 JP6.1 JP7.1 JP8.1 JP9.1 JP10.1 JP11.1 JP12.1 JP13.1 JP14.1 JP15.1 JP16.1 JP17.1 JP18.1 JP19.1 JP20.1 R138.1 R139.1 R141.1 TP5.1 U35.5
SCIC_RX: J4.a10 J5.18
SCIC_TX: J4.b9 J5.17
Spare_0: J4.a6 J5.3
Spare_1: J4.b6 J5.5
Spare_2: J4.a7 J5.7
Spare_3: J4.b7 J5.9
Spare_4: J4.a8 J5.11
Spare_5: J4.b8 J5.13
Spare_6: J4.a9 J5.15
SPIA_CLK: J4.a3 U29.10
SPIA_SIMO: J4.b2 U29.8
SPIB_CLK: J4.b4 U32.10
SPIB_SIMO: J4.a4 U32.8
SPIC_CLK: J4.b10 U27.3
SPIC_CLK_+: J6.6 U27.14
SPIC_CLK_-: J6.5 U27.13
SPIC_SIMO: J4.b11 U27.6
SPIC_SIMO_+: J6.2 U27.12
SPIC_SIMO_-: J6.1 U27.11
pads on no net: J3.0 J3.a21 J3.a22 J3.a23 J3.a24 J3.a25 J3.b20 J3.b21 J3.b22 J3.b23 J3.b25 J4.0 J4.a13 J4.a14 J4.a16 J4.a23 J4.a24 J4.b13 J4.b14 J4.b16 J4.b23 J4.b24 J4.b25 J6.3 J6.4 U24.1 U24.5 U24.7 U24.8 U27.7 U27.9 U27.10

## Silkscreen, mask and mechanical layers (free items; w line width, h text height)
Mechanical 1:
  the board outline again, w0.254
Mechanical 5:
  text "MAX environ 70mm" at 86.2,115.9 h1.52

## Dimensions
133.2,100 to 0,100 on Mechanical 5
28.3,8 to 28.3,92 on Mechanical 5
0,0 to 0,100 on Mechanical 5
133.2,100 to 63.2,92 on Mechanical 5
28.3,8 to 0,0 on Mechanical 5